# EAGLE board Mk4 Final Panel 8up 2x4 (EAGLE 9.0.1), part 15 of 23
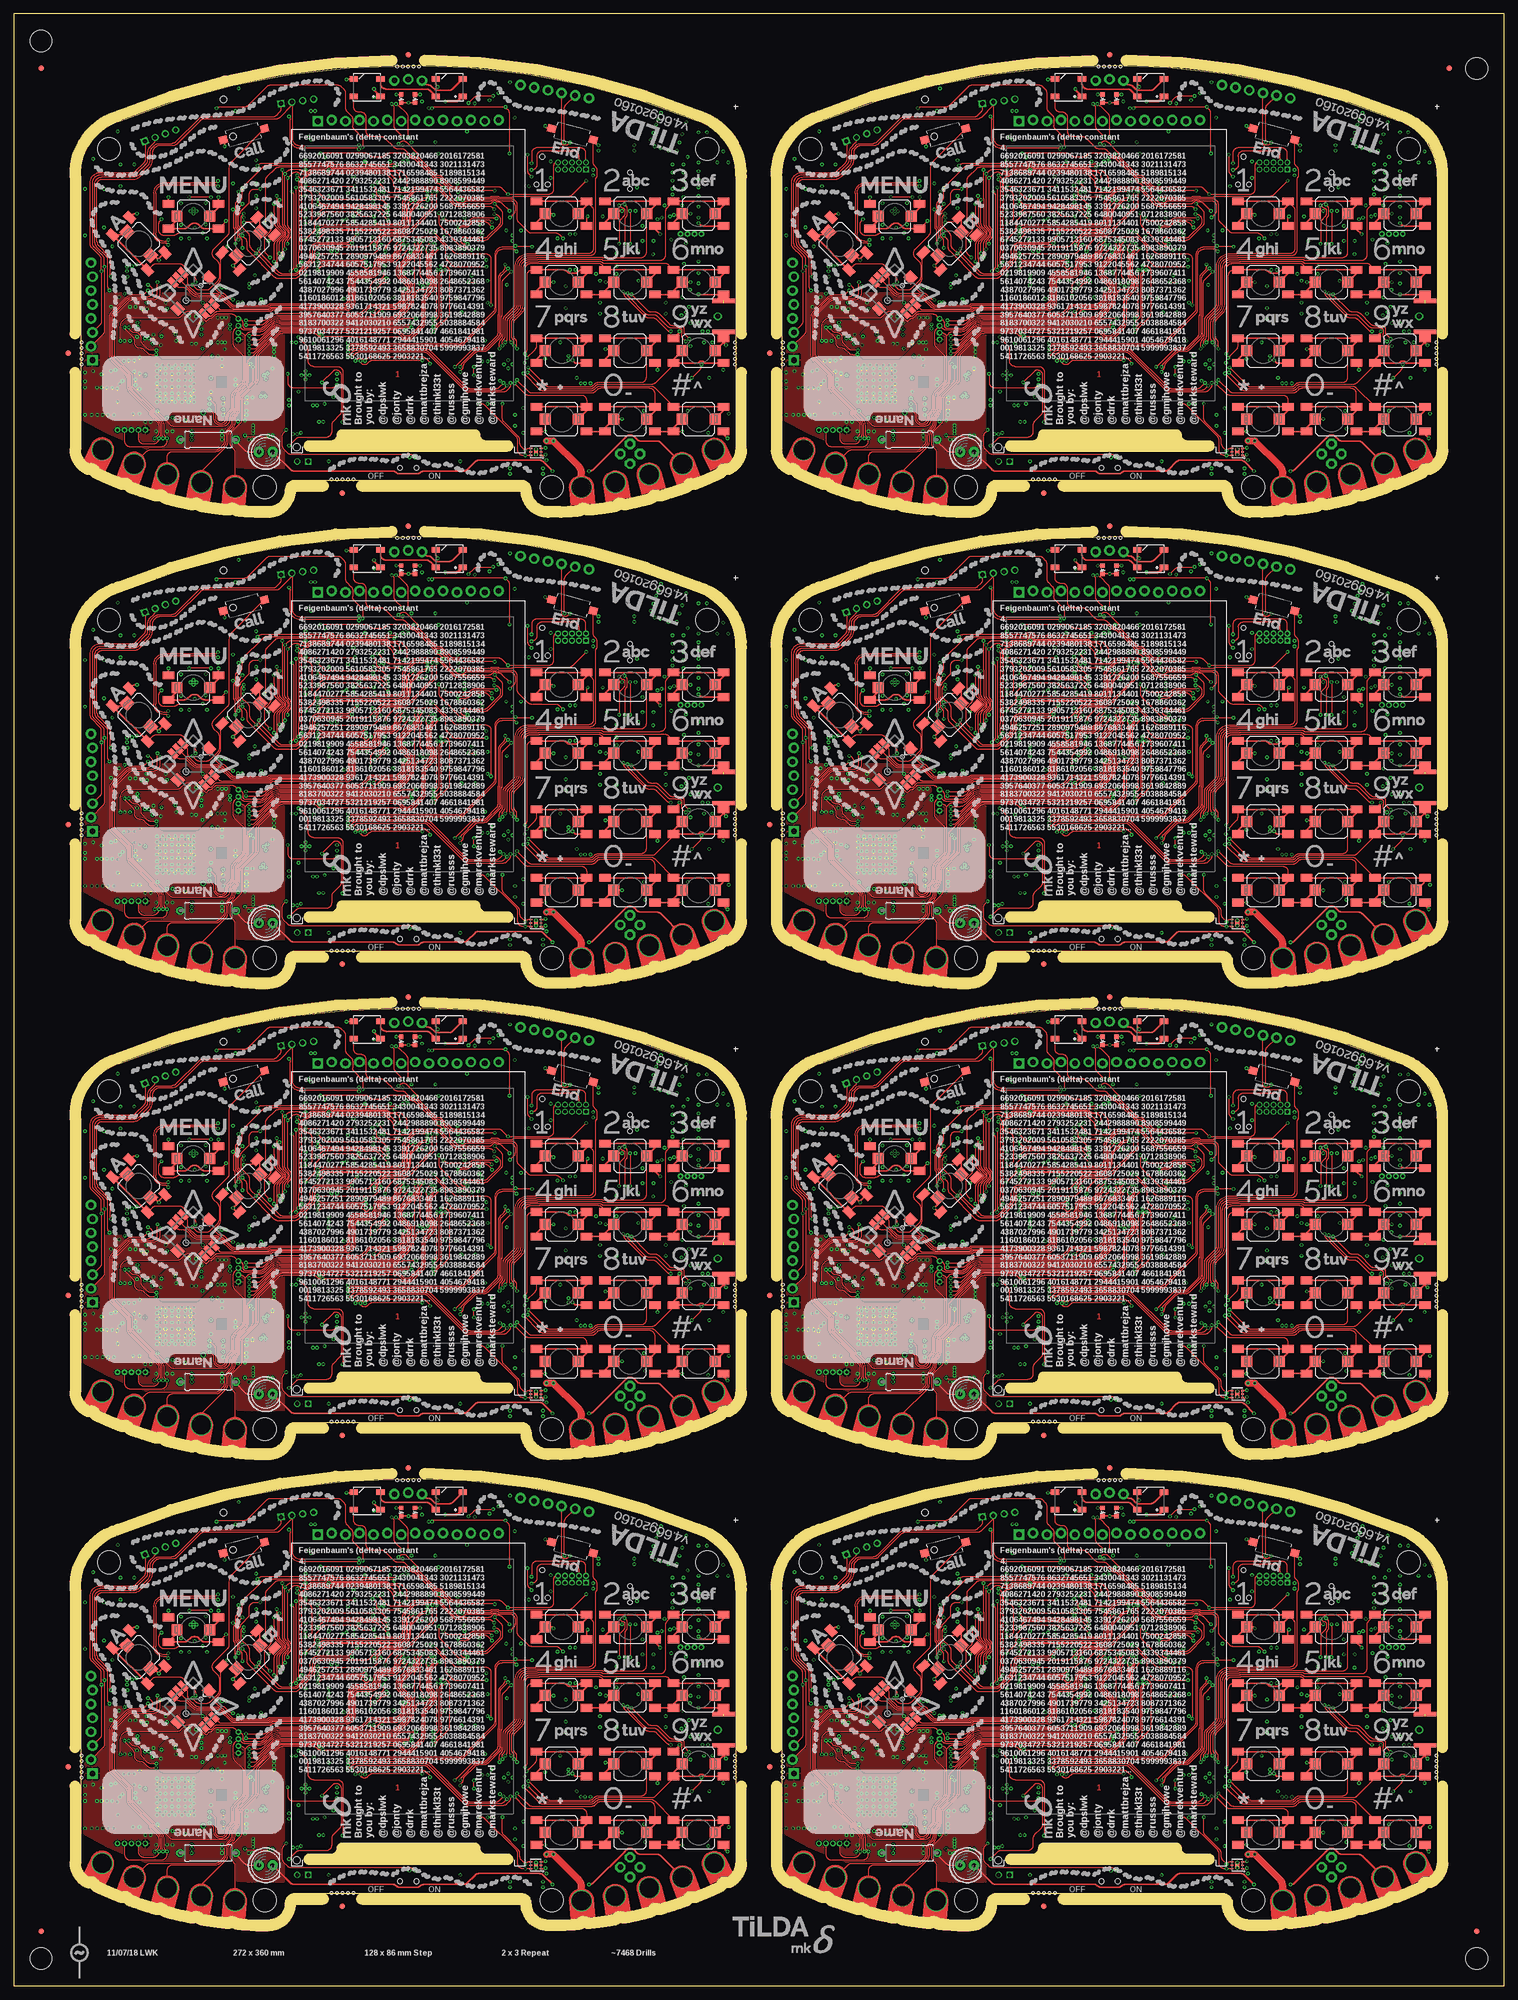
[diagram p0: board, top side]
## Tracks (layer width: path | path; a pad name or v marks a point on that pad's centre or on a via) (continued)
LED5_R (continued)
  Top 0.25: R11.1 40.58,23.92 42.21,22.29 arc45 42.91,22 44.5,22 44.58,21.92 44.65,21.92 LED5.A
LED5_R1
  Top 0.25: R95.1 168.58,23.92 170.21,22.29 arc45 170.91,22 172.5,22 172.58,21.92 172.65,21.92 LED11.A
LED5_R2
  Top 0.25: R173.1 40.58,109.92 42.21,108.29 arc45 42.91,108 44.5,108 44.58,107.92 44.65,107.92 LED17.A
LED5_R3
  Top 0.25: R251.1 168.58,109.92 170.21,108.29 arc45 170.91,108 172.5,108 172.58,107.92 172.65,107.92 LED23.A
LED5_R4
  Top 0.25: R329.1 40.58,195.92 42.21,194.29 arc45 42.91,194 44.5,194 44.58,193.92 44.65,193.92 LED29.A
LED5_R5
  Top 0.25: R407.1 168.58,195.92 170.21,194.29 arc45 170.91,194 172.5,194 172.58,193.92 172.65,193.92 LED35.A
LED5_R6
  Top 0.25: R485.1 40.58,281.92 42.21,280.29 arc45 42.91,280 44.5,280 44.58,279.92 44.65,279.92 LED41.A
LED5_R7
  Top 0.25: R563.1 168.58,281.92 170.21,280.29 arc45 170.91,280 172.5,280 172.58,279.92 172.65,279.92 LED47.A
LED6  (via drill 0.3)
  Top 0.15: v71,165.55 69.75,166.8 arc-45 69.46,167.5 69.46,171.04 v69,171.5
  Bottom 0.15: IC38.85 73.8,159.32 arc90 73.5,159.62 73.2,159.62 arc-90 72.7,160.12 72.7,161.14 arc45 72.41,161.84 71.99,162.26 arc-45 71.7,162.96 71.7,164.14 arc45 71.41,164.84 71.21,165.04 arc-45 v71,165.55 | R162.2 69.99,172 69.97,172.03 69.73,172.03 arc45 69.38,171.88 v69,171.5
LED7  (via drill 0.3)
  Top 0.15: v200,165.5 200,169.09 arc45 199.71,169.79 198.38,171.12 198.24,171.12 197.86,171.5 v197.75,171.5
  Bottom 0.15: IC56.86 202.2,159.22 arc90 201.5,159.93 arc-90 201,160.43 201,161.29 arc45 200.71,161.99 200.29,162.41 arc-45 200,163.11 v200,165.5 | R239.2 200.79,171.52 arc-45 200.08,171.22 198.03,171.22 v197.75,171.5
LED8  (via drill 0.3)
  Top 0.15: v199,165.55 197.75,166.8 arc-45 197.46,167.5 197.46,171.04 v197,171.5
  Bottom 0.15: IC56.85 201.8,159.32 arc90 201.5,159.62 201.2,159.62 arc-90 200.7,160.12 200.7,161.14 arc45 200.41,161.84 199.99,162.26 arc-45 199.7,162.96 199.7,164.14 arc45 199.41,164.84 199.21,165.04 arc-45 v199,165.55 | R240.2 197.99,172 197.97,172.03 197.73,172.03 arc45 197.38,171.88 v197,171.5
LED9  (via drill 0.3)
  Top 0.15: v72,251.5 72,255.09 arc45 71.71,255.79 70.38,257.12 70.24,257.12 69.86,257.5 v69.75,257.5
  Bottom 0.15: IC74.86 74.2,245.22 arc90 73.5,245.93 arc-90 73,246.43 73,247.29 arc45 72.71,247.99 72.29,248.41 arc-45 72,249.11 v72,251.5 | R317.2 72.79,257.52 arc-45 72.08,257.23 70.03,257.23 v69.75,257.5
LED10  (via drill 0.3)
  Top 0.15: v71,251.55 69.75,252.8 arc-45 69.46,253.5 69.46,257.04 v69,257.5
  Bottom 0.15: IC74.85 73.8,245.32 arc90 73.5,245.62 73.2,245.62 arc-90 72.7,246.12 72.7,247.14 arc45 72.41,247.84 71.99,248.26 arc-45 71.7,248.96 71.7,250.14 arc45 71.41,250.84 71.21,251.04 arc-45 v71,251.55 | R318.2 69.99,258 69.97,258.02 69.73,258.02 arc45 69.38,257.88 v69,257.5
LED11  (via drill 0.3)
  Top 0.15: v200,251.5 200,255.09 arc45 199.71,255.79 198.38,257.12 198.24,257.12 197.86,257.5 v197.75,257.5
  Bottom 0.15: IC92.86 202.2,245.22 arc90 201.5,245.93 arc-90 201,246.43 201,247.29 arc45 200.71,247.99 200.29,248.41 arc-45 200,249.11 v200,251.5 | R395.2 200.79,257.52 arc-45 200.08,257.23 198.03,257.23 v197.75,257.5
LED12  (via drill 0.3)
  Top 0.15: v199,251.55 197.75,252.8 arc-45 197.46,253.5 197.46,257.04 v197,257.5
  Bottom 0.15: IC92.85 201.8,245.32 arc90 201.5,245.62 201.2,245.62 arc-90 200.7,246.12 200.7,247.14 arc45 200.41,247.84 199.99,248.26 arc-45 199.7,248.96 199.7,250.14 arc45 199.41,250.84 199.21,251.04 arc-45 v199,251.55 | R396.2 197.99,258 197.97,258.02 197.73,258.02 arc45 197.38,257.88 v197,257.5
LED13  (via drill 0.3)
  Top 0.15: v72,337.5 72,341.09 arc45 71.71,341.79 70.38,343.12 70.24,343.12 69.86,343.5 v69.75,343.5
  Bottom 0.15: IC110.86 74.2,331.23 arc90 73.5,331.93 arc-90 73,332.43 73,333.29 arc45 72.71,333.99 72.29,334.41 arc-45 72,335.11 v72,337.5 | R473.2 72.79,343.52 arc-45 72.08,343.23 70.03,343.23 v69.75,343.5
LED14  (via drill 0.3)
  Top 0.15: v71,337.55 69.75,338.8 arc-45 69.46,339.5 69.46,343.04 v69,343.5
  Bottom 0.15: IC110.85 73.8,331.32 arc90 73.5,331.62 73.2,331.62 arc-90 72.7,332.12 72.7,333.14 arc45 72.41,333.84 71.99,334.26 arc-45 71.7,334.96 71.7,336.14 arc45 71.41,336.84 71.21,337.04 arc-45 v71,337.55 | R474.2 69.99,344 69.97,344.02 69.73,344.02 arc45 69.38,343.88 v69,343.5
LED15  (via drill 0.3)
  Top 0.15: v200,337.5 200,341.09 arc45 199.71,341.79 198.38,343.12 198.24,343.12 197.86,343.5 v197.75,343.5
  Bottom 0.15: IC128.86 202.2,331.23 arc90 201.5,331.93 arc-90 201,332.43 201,333.29 arc45 200.71,333.99 200.29,334.41 arc-45 200,335.11 v200,337.5 | R551.2 200.79,343.52 arc-45 200.08,343.23 198.03,343.23 v197.75,343.5
LED16  (via drill 0.3)
  Top 0.15: v199,337.55 197.75,338.8 arc-45 197.46,339.5 197.46,343.04 v197,343.5
  Bottom 0.15: IC128.85 201.8,331.32 arc90 201.5,331.62 201.2,331.62 arc-90 200.7,332.12 200.7,333.14 arc45 200.41,333.84 199.99,334.26 arc-45 199.7,334.96 199.7,336.14 arc45 199.41,336.84 199.21,337.04 arc-45 v199,337.55 | R552.2 197.99,344 197.97,344.02 197.73,344.02 arc45 197.38,343.88 v197,343.5
LEDK
  pour Bottom (no thermals): 81.3,51.7 81.3,51.3 84.6,51.3 84.7,51.3 85.35,50.65 85.55,50.65 87.55,50.65 87.55,51.5 84.9,51.5 84.7,51.7
LEDK1
  Bottom 0.25: J2.2 83.75,49.34 arc-45 84.04,50.04 R47.2
LEDK2
  Bottom 0.25: J2.3 83.25,49.9 arc-45 R48.2
LEDK3
  Bottom 0.25: J2.4 82.75,49.9 arc45 R49.2
LEDK4
  Bottom 0.25: J2.5 82.25,49.34 arc45 81.96,50.04 R44.2
LEDK5
  Bottom 0.25: J6.2 211.75,49.34 arc-45 212.04,50.04 R79.2
LEDK6
  Bottom 0.25: J6.3 211.25,49.9 arc-45 R80.2
LEDK7
  Bottom 0.25: J6.4 210.75,49.9 arc45 R81.2
LEDK8
  Bottom 0.25: J6.5 210.25,49.34 arc45 209.96,50.04 R82.2
LEDK9
  pour Bottom (no thermals): 209.3,51.7 209.3,51.3 212.7,51.3 213.35,50.65 215.55,50.65 215.55,51.5 212.9,51.5 212.7,51.7
LEDK10
  Bottom 0.25: J21.2 83.75,135.34 arc-45 84.04,136.04 R157.2
LEDK11
  Bottom 0.25: J21.3 83.25,135.9 arc-45 R158.2
LEDK12
  Bottom 0.25: J21.4 82.75,135.9 arc45 R159.2
LEDK13
  Bottom 0.25: J21.5 82.25,135.34 arc45 81.96,136.04 R160.2
LEDK14
  pour Bottom (no thermals): 81.3,137.7 81.3,137.3 84.7,137.3 85.35,136.65 87.55,136.65 87.55,137.5 84.9,137.5 84.7,137.7
LEDK15
  Bottom 0.25: J31.2 211.75,135.34 arc-45 212.04,136.04 R235.2
LEDK16
  Bottom 0.25: J31.3 211.25,135.9 arc-45 R236.2
LEDK17
  Bottom 0.25: J31.4 210.75,135.9 arc45 R237.2
LEDK18
  Bottom 0.25: J31.5 210.25,135.34 arc45 209.96,136.04 R238.2
LEDK19
  pour Bottom (no thermals): 209.3,137.7 209.3,137.3 212.7,137.3 213.35,136.65 215.55,136.65 215.55,137.5 212.9,137.5 212.7,137.7
LEDK20
  Bottom 0.25: J41.2 83.75,221.34 arc-45 84.04,222.04 R313.2
LEDK21
  Bottom 0.25: J41.3 83.25,221.9 arc-45 R314.2
LEDK22
  Bottom 0.25: J41.4 82.75,221.9 arc45 R315.2
LEDK23
  Bottom 0.25: J41.5 82.25,221.34 arc45 81.96,222.04 R316.2
LEDK24
  pour Bottom (no thermals): 81.3,223.7 81.3,223.3 84.7,223.3 85.35,222.65 87.55,222.65 87.55,223.5 84.9,223.5 84.7,223.7
LEDK25
  Bottom 0.25: J51.2 211.75,221.34 arc-45 212.04,222.04 R391.2
LEDK26
  Bottom 0.25: J51.3 211.25,221.9 arc-45 R392.2
LEDK27
  Bottom 0.25: J51.4 210.75,221.9 arc45 R393.2
LEDK28
  Bottom 0.25: J51.5 210.25,221.34 arc45 209.96,222.04 R394.2
LEDK29
  pour Bottom (no thermals): 209.3,223.7 209.3,223.3 212.7,223.3 213.35,222.65 215.55,222.65 215.55,223.5 212.9,223.5 212.7,223.7
LEDK30
  Bottom 0.25: J61.2 83.75,307.34 arc-45 84.04,308.04 R469.2
LEDK31
  Bottom 0.25: J61.3 83.25,307.9 arc-45 R470.2
LEDK32
  Bottom 0.25: J61.4 82.75,307.9 arc45 R471.2
LEDK33
  Bottom 0.25: J61.5 82.25,307.34 arc45 81.96,308.04 R472.2
LEDK34
  pour Bottom (no thermals): 81.3,309.7 81.3,309.3 84.7,309.3 85.35,308.65 87.55,308.65 87.55,309.5 84.9,309.5 84.7,309.7
LEDK35
  Bottom 0.25: J71.2 211.75,307.34 arc-45 212.04,308.04 R547.2
LEDK36
  Bottom 0.25: J71.3 211.25,307.9 arc-45 R548.2
LEDK37
  Bottom 0.25: J71.4 210.75,307.9 arc45 R549.2
LEDK38
  Bottom 0.25: J71.5 210.25,307.34 arc45 209.96,308.04 R550.2
LEDK39
  pour Bottom (no thermals): 209.3,309.7 209.3,309.3 212.7,309.3 213.35,308.65 215.55,308.65 215.55,309.5 212.9,309.5 212.7,309.7
MIC_MUX_N
  Bottom 0.2: IC12.11 103,70.5 102.79,70.71 arc45 102.09,71 101.46,71 arc90 100.46,70 IC12.9 100.46,67.5 arc90 101.46,66.5 102.65,66.5 arc-90 103.65,65.5 103.65,62.22 103.58,62.15 103.58,61.3 103.58,61.2 103.58,61.18 103.58,60.85 arc90 104.6,59.83 105.3,59.83 arc-90 106.03,59.1 106.03,56.7 arc-90 105.75,56.42 105.33,56.85 IC5.10
MIC_MUX_N1
  Bottom 0.2: IC27.11 231,70.5 230.79,70.71 arc45 230.09,71 229.46,71 arc90 228.46,70 IC27.9 228.46,67.5 arc90 229.46,66.5 230.65,66.5 arc-90 231.65,65.5 231.65,62.22 231.57,62.15 231.57,60.85 arc90 232.6,59.83 233.3,59.83 arc-90 234.03,59.1 234.03,56.7 arc-90 233.75,56.42 233.32,56.85 IC21.10
MIC_MUX_N2
  Bottom 0.2: IC45.11 103,156.5 102.79,156.71 arc45 102.09,157 101.46,157 arc90 100.46,156 IC45.9 100.46,153.5 arc90 101.46,152.5 102.65,152.5 arc-90 103.65,151.5 103.65,148.22 103.58,148.15 103.58,146.85 arc90 104.6,145.82 105.3,145.82 arc-90 106.03,145.1 106.03,142.7 arc-90 105.75,142.43 105.33,142.85 IC39.10
MIC_MUX_N3
  Bottom 0.2: IC63.11 231,156.5 230.79,156.71 arc45 230.09,157 229.46,157 arc90 228.46,156 IC63.9 228.46,153.5 arc90 229.46,152.5 230.65,152.5 arc-90 231.65,151.5 231.65,148.22 231.57,148.15 231.57,146.85 arc90 232.6,145.82 233.3,145.82 arc-90 234.03,145.1 234.03,142.7 arc-90 233.75,142.43 233.32,142.85 IC57.10
MIC_MUX_N4
  Bottom 0.2: IC81.11 103,242.5 102.79,242.71 arc45 102.09,243 101.46,243 arc90 100.46,242 IC81.9 100.46,239.5 arc90 101.46,238.5 102.65,238.5 arc-90 103.65,237.5 103.65,234.22 103.58,234.15 103.58,232.85 arc90 104.6,231.82 105.3,231.82 arc-90 106.03,231.1 106.03,228.7 arc-90 105.75,228.43 105.33,228.85 IC75.10
MIC_MUX_N5
  Bottom 0.2: IC99.11 231,242.5 230.79,242.71 arc45 230.09,243 229.46,243 arc90 228.46,242 IC99.9 228.46,239.5 arc90 229.46,238.5 230.65,238.5 arc-90 231.65,237.5 231.65,234.22 231.57,234.15 231.57,232.85 arc90 232.6,231.82 233.3,231.82 arc-90 234.03,231.1 234.03,228.7 arc-90 233.75,228.43 233.32,228.85 IC93.10
MIC_MUX_N6
  Bottom 0.2: IC117.11 103,328.5 102.79,328.71 arc45 102.09,329 101.46,329 arc90 100.46,328 IC117.9 100.46,325.5 arc90 101.46,324.5 102.65,324.5 arc-90 103.65,323.5 103.65,320.22 103.58,320.14 103.58,318.85 arc90 104.6,317.82 105.3,317.82 arc-90 106.03,317.1 106.03,314.7 arc-90 105.75,314.43 105.33,314.85 IC111.10
MIC_MUX_N7
  Bottom 0.2: IC135.11 231,328.5 230.79,328.71 arc45 230.09,329 229.46,329 arc90 228.46,328 IC135.9 228.46,325.5 arc90 229.46,324.5 230.65,324.5 arc-90 231.65,323.5 231.65,320.22 231.57,320.14 231.57,318.85 arc90 232.6,317.82 233.3,317.82 arc-90 234.03,317.1 234.03,314.7 arc-90 233.75,314.43 233.32,314.85 IC129.10
MIC_MUX_P
  Bottom 0.2: IC12.1 106.81,63 arc-90 105.81,62 105.27,62 arc-90 104.27,63 IC12.3 104.27,62.34 104.22,62.29 arc45 103.92,61.59 103.92,61.3 103.92,60.85 arc90 104.6,60.17 105.3,60.17 arc-90 106.38,59.1 106.38,56.7 arc-90 105.75,56.08 105.42,55.75 IC5.9
MIC_MUX_P1
  Bottom 0.2: IC27.1 234.81,63 arc-90 233.81,62 233.27,62 arc-90 232.27,63 IC27.3 232.27,62.34 232.22,62.29 arc45 231.93,61.59 231.93,60.85 arc90 232.6,60.17 233.3,60.17 arc-90 234.38,59.1 234.38,56.7 arc-90 233.75,56.08 233.43,55.75 IC21.9
MIC_MUX_P2
  Bottom 0.2: IC45.1 106.81,149 arc-90 105.81,148 105.27,148 arc-90 104.27,149 IC45.3 104.27,148.34 104.22,148.29 arc45 103.92,147.59 103.92,146.85 arc90 104.6,146.18 105.3,146.18 arc-90 106.38,145.1 106.38,142.7 arc-90 105.75,142.07 105.42,141.75 IC39.9
MIC_MUX_P3
  Bottom 0.2: IC63.1 234.81,149 arc-90 233.81,148 233.27,148 arc-90 232.27,149 IC63.3 232.27,148.34 232.22,148.29 arc45 231.93,147.59 231.93,146.85 arc90 232.6,146.18 233.3,146.18 arc-90 234.38,145.1 234.38,142.7 arc-90 233.75,142.07 233.43,141.75 IC57.9
MIC_MUX_P4
  Bottom 0.2: IC81.1 106.81,235 arc-90 105.81,234 105.27,234 arc-90 104.27,235 IC81.3 104.27,234.34 104.22,234.29 arc45 103.92,233.59 103.92,232.85 arc90 104.6,232.18 105.3,232.18 arc-90 106.38,231.1 106.38,228.7 arc-90 105.75,228.07 105.42,227.75 IC75.9
MIC_MUX_P5
  Bottom 0.2: IC99.1 234.81,235 arc-90 233.81,234 233.27,234 arc-90 232.27,235 IC99.3 232.27,234.34 232.22,234.29 arc45 231.93,233.59 231.93,232.85 arc90 232.6,232.18 233.3,232.18 arc-90 234.38,231.1 234.38,228.7 arc-90 233.75,228.07 233.43,227.75 IC93.9
MIC_MUX_P6
  Bottom 0.2: IC117.1 106.81,321 arc-90 105.81,320 105.27,320 arc-90 104.27,321 IC117.3 104.27,320.35 104.22,320.29 arc45 103.92,319.59 103.92,318.85 arc90 104.6,318.18 105.3,318.18 arc-90 106.38,317.1 106.38,314.7 arc-90 105.75,314.07 105.42,313.75 IC111.9
MIC_MUX_P7
  Bottom 0.2: IC135.1 234.81,321 arc-90 233.81,320 233.27,320 arc-90 232.27,321 IC135.3 232.27,320.35 232.22,320.29 arc45 231.93,319.59 231.93,318.85 arc90 232.6,318.18 233.3,318.18 arc-90 234.38,317.1 234.38,314.7 arc-90 233.75,314.07 233.43,313.75 IC129.9
MIC_N
  Bottom 0.2: C56.2 C53.1 | C52.2 C55.1 | C52.2 C56.2 | U4.- 108.03,81.25 108.6,81.83 109.33,81.83 arc-90 109.83,81.33 109.83,78.33 C52.2 | C56.2 109.83,76.67 109.83,76.21 arc-45 109.68,75.85 109.67,75.85 arc45 109.53,75.49 S22.6
MIC_N1
  Bottom 0.2: C163.2 C160.1 | C159.2 C162.1 | C159.2 C163.2 | U3.- 236.03,81.25 236.6,81.83 237.32,81.83 arc-90 237.82,81.33 237.82,78.33 C159.2 | C163.2 237.82,76.67 237.82,76.21 arc-45 237.68,75.85 237.67,75.85 arc45 237.53,75.49 S42.6
MIC_N2
  Bottom 0.2: C271.2 C268.1 | C267.2 C270.1 | C267.2 C271.2 | U8.- 108.03,167.25 108.6,167.82 109.33,167.82 arc-90 109.83,167.32 109.83,164.32 C267.2 | C271.2 109.83,162.68 109.83,162.21 arc-45 109.68,161.85 109.67,161.85 arc45 109.53,161.49 S63.6
MIC_N3
  Bottom 0.2: C379.2 C376.1 | C375.2 C378.1 | C375.2 C379.2 | U11.- 236.03,167.25 236.6,167.82 237.32,167.82 arc-90 237.82,167.32 237.82,164.32 C375.2 | C379.2 237.82,162.68 237.82,162.21 arc-45 237.68,161.85 237.67,161.85 arc45 237.53,161.49 S84.6
MIC_N4
  Bottom 0.2: C487.2 C484.1 | C483.2 C486.1 | C483.2 C487.2 | U14.- 108.03,253.25 108.6,253.82 109.33,253.82 arc-90 109.83,253.32 109.83,250.32 C483.2 | C487.2 109.83,248.68 109.83,248.21 arc-45 109.68,247.85 109.67,247.85 arc45 109.53,247.49 S105.6
MIC_N5
  Bottom 0.2: C595.2 C592.1 | C591.2 C594.1 | C591.2 C595.2 | U17.- 236.03,253.25 236.6,253.82 237.32,253.82 arc-90 237.82,253.32 237.82,250.32 C591.2 | C595.2 237.82,248.68 237.82,248.21 arc-45 237.68,247.85 237.67,247.85 arc45 237.53,247.49 S126.6
MIC_N6
  Bottom 0.2: C703.2 C700.1 | C699.2 C702.1 | C699.2 C703.2 | U20.- 108.03,339.25 108.6,339.82 109.33,339.82 arc-90 109.83,339.32 109.83,336.32 C699.2 | C703.2 109.83,334.68 109.83,334.21 arc-45 109.68,333.85 109.67,333.85 arc45 109.53,333.49 S147.6
MIC_N7
  Bottom 0.2: C811.2 C808.1 | C807.2 C810.1 | C807.2 C811.2 | U23.- 236.03,339.25 236.6,339.82 237.32,339.82 arc-90 237.82,339.32 237.82,336.32 C807.2 | C811.2 237.82,334.68 237.82,334.21 arc-45 237.68,333.85 237.67,333.85 arc45 237.53,333.49 S168.6
MIC_P
  Bottom 0.2: C52.1 C54.1 | C56.1 C57.1 | C52.1 C56.1 | U4.+ 108.03,82.75 108.6,82.17 109.42,82.17 arc-90 110.17,81.42 110.17,78.35 110.5,78.03 C52.1 | C56.1 110.17,76.67 110.17,76.21 arc45 110.32,75.85 112.03,74.15 arc45 112.38,74 S22.3
MIC_P1
  Bottom 0.2: C159.1 C161.1 | C163.1 C164.1 | C159.1 C163.1 | U3.+ 236.03,82.75 236.6,82.17 237.43,82.17 arc-90 238.18,81.42 238.18,78.35 238.5,78.03 C159.1 | C163.1 238.18,76.67 238.18,76.21 arc45 238.32,75.85 240.03,74.15 arc45 240.38,74 S42.3
MIC_P2
  Bottom 0.2: C267.1 C269.1 | C271.1 C272.1 | C267.1 C271.1 | U8.+ 108.03,168.75 108.6,168.18 109.42,168.18 arc-90 110.17,167.43 110.17,164.35 110.5,164.03 C267.1 | C271.1 110.17,162.68 110.17,162.21 arc45 110.32,161.85 112.03,160.15 arc45 112.38,160 S63.3
MIC_P3
  Bottom 0.2: C375.1 C377.1 | C379.1 C380.1 | C375.1 C379.1 | U11.+ 236.03,168.75 236.6,168.18 237.43,168.18 arc-90 238.18,167.43 238.18,164.35 238.5,164.03 C375.1 | C379.1 238.18,162.68 238.18,162.21 arc45 238.32,161.85 240.03,160.15 arc45 240.38,160 S84.3
MIC_P4
  Bottom 0.2: C483.1 C485.1 | C487.1 C488.1 | C483.1 C487.1 | U14.+ 108.03,254.75 108.6,254.18 109.42,254.18 arc-90 110.17,253.43 110.17,250.35 110.5,250.03 C483.1 | C487.1 110.17,248.68 110.17,248.21 arc45 110.32,247.85 112.03,246.15 arc45 112.38,246 S105.3
MIC_P5
  Bottom 0.2: C591.1 C593.1 | C595.1 C596.1 | C591.1 C595.1 | U17.+ 236.03,254.75 236.6,254.18 237.43,254.18 arc-90 238.18,253.43 238.18,250.35 238.5,250.03 C591.1 | C595.1 238.18,248.68 238.18,248.21 arc45 238.32,247.85 240.03,246.15 arc45 240.38,246 S126.3
MIC_P6
  Bottom 0.2: C699.1 C701.1 | C703.1 C704.1 | C699.1 C703.1 | U20.+ 108.03,340.75 108.6,340.18 109.42,340.18 arc-90 110.17,339.43 110.17,336.35 110.5,336.02 C699.1 | C703.1 110.17,334.68 110.17,334.21 arc45 110.32,333.85 112.03,332.15 arc45 112.38,332 S147.3
MIC_P7
  Bottom 0.2: C807.1 C809.1 | C811.1 C812.1 | C807.1 C811.1 | U23.+ 236.03,340.75 236.6,340.18 237.43,340.18 arc-90 238.18,339.43 238.18,336.35 238.5,336.02 C807.1 | C811.1 238.18,334.68 238.18,334.21 arc45 238.32,333.85 240.03,332.15 arc45 240.38,332 S168.3
MIC_PWM_AMP
  Bottom 0.15: C79.1 92.03,69.72 IC11.1 | IC11.2 92.67,67.22 92.9,67
  Bottom 0.2: C81.2 C80.2 92.9,67 | IC11.1 IC11.2
MIC_PWM_AMP1
  Bottom 0.15: C180.1 220.03,69.72 IC26.1 | IC26.2 220.68,67.22 220.9,67
  Bottom 0.2: C182.2 C181.2 220.9,67 | IC26.1 IC26.2
MIC_PWM_AMP2
  Bottom 0.15: C288.1 92.03,155.72 IC44.1 | IC44.2 92.67,153.22 92.9,153
  Bottom 0.2: C290.2 C289.2 92.9,153 | IC44.1 IC44.2
MIC_PWM_AMP3
  Bottom 0.15: C396.1 220.03,155.72 IC62.1 | IC62.2 220.68,153.22 220.9,153
  Bottom 0.2: C398.2 C397.2 220.9,153 | IC62.1 IC62.2
MIC_PWM_AMP4
  Bottom 0.15: C504.1 92.03,241.72 IC80.1 | IC80.2 92.67,239.22 92.9,239
  Bottom 0.2: C506.2 C505.2 92.9,239 | IC80.1 IC80.2
MIC_PWM_AMP5
  Bottom 0.15: C612.1 220.03,241.72 IC98.1 | IC98.2 220.68,239.22 220.9,239
  Bottom 0.2: C614.2 C613.2 220.9,239 | IC98.1 IC98.2
MIC_PWM_AMP6
  Bottom 0.15: C720.1 92.03,327.73 IC116.1 | IC116.2 92.67,325.23 92.9,325
  Bottom 0.2: C722.2 C721.2 92.9,325 | IC116.1 IC116.2
MIC_PWM_AMP7
  Bottom 0.15: C828.1 220.03,327.73 IC134.1 | IC134.2 220.68,325.23 220.9,325
  Bottom 0.2: C830.2 C829.2 220.9,325 | IC134.1 IC134.2
MIC_PWM_AMP_+
  Bottom 0.15: IC11.3 93.33,69.22 arc45 93.18,69.57 C78.2
  Bottom 0.2: C78.2 R52.2
MIC_PWM_AMP_+1
  Bottom 0.15: IC26.3 221.32,69.22 arc45 221.18,69.57 C179.2
  Bottom 0.2: C179.2 R130.2
MIC_PWM_AMP_+2
  Bottom 0.15: IC44.3 93.33,155.22 arc45 93.18,155.57 C287.2
  Bottom 0.2: C287.2 R208.2
MIC_PWM_AMP_+3
  Bottom 0.15: IC62.3 221.32,155.22 arc45 221.18,155.57 C395.2
  Bottom 0.2: C395.2 R286.2
MIC_PWM_AMP_+4
  Bottom 0.15: IC80.3 93.33,241.22 arc45 93.18,241.57 C503.2
  Bottom 0.2: C503.2 R364.2
MIC_PWM_AMP_+5
  Bottom 0.15: IC98.3 221.32,241.22 arc45 221.18,241.57 C611.2
  Bottom 0.2: C611.2 R442.2
MIC_PWM_AMP_+6
  Bottom 0.15: IC116.3 93.33,327.22 arc45 93.18,327.57 C719.2
  Bottom 0.2: C719.2 R520.2
MIC_PWM_AMP_+7
  Bottom 0.15: IC134.3 221.32,327.22 arc45 221.18,327.57 C827.2
  Bottom 0.2: C827.2 R598.2
MIC_PWM_N
  Bottom 0.2: IC12.8 99.19,68 arc-90 98.19,67 R54.1 C80.1
MIC_PWM_N1
  Bottom 0.2: IC27.8 227.19,68 arc-90 226.19,67 R132.1 C181.1
MIC_PWM_N2
  Bottom 0.2: IC45.8 99.19,154 arc-90 98.19,153 R210.1 C289.1
MIC_PWM_N3
  Bottom 0.2: IC63.8 227.19,154 arc-90 226.19,153 R288.1 C397.1
MIC_PWM_N4
  Bottom 0.2: IC81.8 99.19,240 arc-90 98.19,239 R366.1 C505.1
MIC_PWM_N5
  Bottom 0.2: IC99.8 227.19,240 arc-90 226.19,239 R444.1 C613.1
MIC_PWM_N6
  Bottom 0.2: IC117.8 99.19,326 arc-90 98.19,325 R522.1 C721.1
MIC_PWM_N7
  Bottom 0.2: IC135.8 227.19,326 arc-90 226.19,325 R600.1 C829.1
MIC_PWM_P
  Bottom 0.2: IC12.4 103,65 arc90 102,66 R54.2 C81.1
MIC_PWM_P1
  Bottom 0.2: IC27.4 231,65 arc90 230,66 R132.2 C182.1
MIC_PWM_P2
  Bottom 0.2: IC45.4 103,151 arc90 102,152 R210.2 C290.1
MIC_PWM_P3
  Bottom 0.2: IC63.4 231,151 arc90 230,152 R288.2 C398.1
MIC_PWM_P4
  Bottom 0.2: IC81.4 103,237 arc90 102,238 R366.2 C506.1
MIC_PWM_P5
  Bottom 0.2: IC99.4 231,237 arc90 230,238 R444.2 C614.1
MIC_PWM_P6
  Bottom 0.2: IC117.4 103,323 arc90 102,324 R522.2 C722.1
MIC_PWM_P7
  Bottom 0.2: IC135.4 231,323 arc90 230,324 R600.2 C830.1
MIC_PWM_R
  Bottom 0.2: R53.1 C79.2 R52.1
MIC_PWM_R1
  Bottom 0.2: R131.1 C180.2 R130.1
MIC_PWM_R2
  Bottom 0.2: R209.1 C288.2 R208.1
MIC_PWM_R3
  Bottom 0.2: R287.1 C396.2 R286.1
MIC_PWM_R4
  Bottom 0.2: R365.1 C504.2 R364.1
MIC_PWM_R5
  Bottom 0.2: R443.1 C612.2 R442.1
MIC_PWM_R6
  Bottom 0.2: R521.1 C720.2 R520.1
MIC_PWM_R7
  Bottom 0.2: R599.1 C828.2 R598.1
MIC_SWITCHED_N
  Bottom 0.2: IC12.10 101.73,68 arc90 102.73,67 105.67,67 arc-45 105.81,66.94 105.94,66.81 arc45 106.08,66.75 108,66.75 108.08,66.67 108.26,66.67 arc45 108.97,66.97 109.97,67.97 arc-45 110.11,68.03 110.67,68.03 arc45 111.02,68.17 111.18,68.33 arc45 111.33,68.68 111.33,69.97 arc45 111.18,70.32 110,71.5 S22.5
MIC_SWITCHED_N1
  Bottom 0.2: IC27.10 229.73,68 arc90 230.73,67 233.67,67 arc-45 233.81,66.94 233.94,66.81 arc45 234.08,66.75 236,66.75 236.07,66.67 236.26,66.67 arc45 236.97,66.97 237.97,67.97 arc-45 238.11,68.03 238.67,68.03 arc45 239.02,68.17 239.18,68.33 arc45 239.33,68.68 239.33,69.97 arc45 239.18,70.32 238,71.5 S42.5
MIC_SWITCHED_N2
  Bottom 0.2: IC45.10 101.73,154 arc90 102.73,153 105.67,153 arc-45 105.81,152.94 105.94,152.81 arc45 106.08,152.75 108,152.75 108.08,152.68 108.26,152.68 arc45 108.97,152.97 109.97,153.97 arc-45 110.11,154.03 110.67,154.03 arc45 111.02,154.17 111.18,154.33 arc45 111.33,154.68 111.33,155.97 arc45 111.18,156.32 110,157.5 S63.5
MIC_SWITCHED_N3
  Bottom 0.2: IC63.10 229.73,154 arc90 230.73,153 233.67,153 arc-45 233.81,152.94 233.94,152.81 arc45 234.08,152.75 236,152.75 236.07,152.68 236.26,152.68 arc45 236.97,152.97 237.97,153.97 arc-45 238.11,154.03 238.67,154.03 arc45 239.02,154.17 239.18,154.33 arc45 239.33,154.68 239.33,155.97 arc45 239.18,156.32 238,157.5 S84.5
MIC_SWITCHED_N4
  Bottom 0.2: IC81.10 101.73,240 arc90 102.73,239 105.67,239 arc-45 105.81,238.94 105.94,238.81 arc45 106.08,238.75 108,238.75 108.08,238.68 108.26,238.68 arc45 108.97,238.97 109.97,239.97 arc-45 110.11,240.03 110.67,240.03 arc45 111.02,240.17 111.18,240.33 arc45 111.33,240.68 111.33,241.97 arc45 111.18,242.32 110,243.5 S105.5
MIC_SWITCHED_N5
  Bottom 0.2: IC99.10 229.73,240 arc90 230.73,239 233.67,239 arc-45 233.81,238.94 233.94,238.81 arc45 234.08,238.75 236,238.75 236.07,238.68 236.26,238.68 arc45 236.97,238.97 237.97,239.97 arc-45 238.11,240.03 238.67,240.03 arc45 239.02,240.17 239.18,240.33 arc45 239.33,240.68 239.33,241.97 arc45 239.18,242.32 238,243.5 S126.5
MIC_SWITCHED_N6
  Bottom 0.2: IC117.10 101.73,326 arc90 102.73,325 105.67,325 arc-45 105.81,324.94 105.94,324.81 arc45 106.08,324.75 108,324.75 108.08,324.68 108.26,324.68 arc45 108.97,324.97 109.97,325.97 arc-45 110.11,326.02 110.67,326.02 arc45 111.02,326.17 111.18,326.33 arc45 111.33,326.68 111.33,327.97 arc45 111.18,328.32 110,329.5 S147.5
MIC_SWITCHED_N7
  Bottom 0.2: IC135.10 229.73,326 arc90 230.73,325 233.67,325 arc-45 233.81,324.94 233.94,324.81 arc45 234.08,324.75 236,324.75 236.07,324.68 236.26,324.68 arc45 236.97,324.97 237.97,325.97 arc-45 238.11,326.02 238.67,326.02 arc45 239.02,326.17 239.18,326.33 arc45 239.33,326.68 239.33,327.97 arc45 239.18,328.32 238,329.5 S168.5